# KiCad board s100_ColorMagic-1.0-001.kicad_pcb (continued)
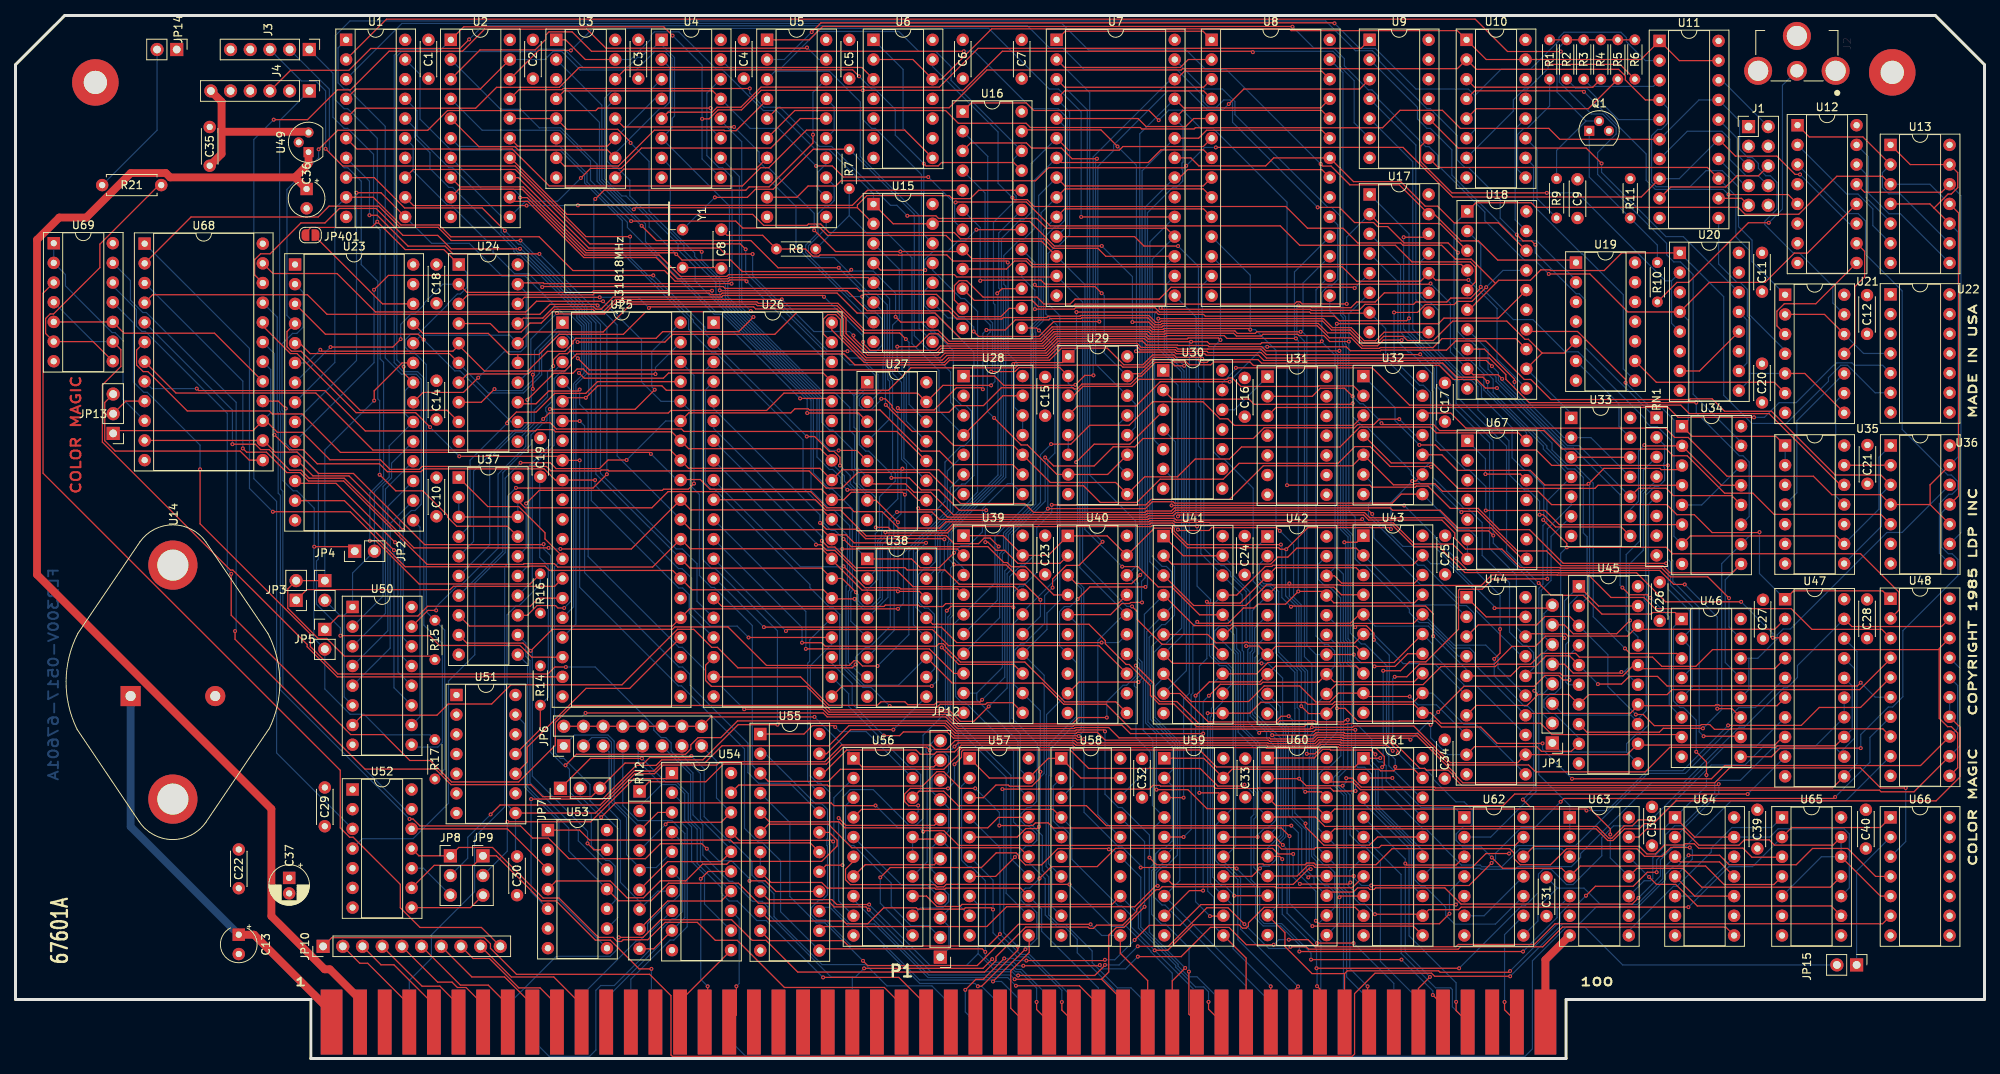
[diagram p0: board, top side]
## Routing (per net, layer and track width the routed paths; a pad name or vN(x,y) marks a point on that pad's centre or on a via; arc(x,y) is an arc through that point) (continued)
  Copper w0.152: v1(113.71,70.53) 112.69,69.51 112.69,67.22 111.83,66.35 111.83,59.31 110.48,57.97 109.36,57.97 108.24,59.09 v1(108.24,59.32) ; U45.3 205.42,52.12 205.42,48 v1(209.02,44.4) ; U44.3 188.21,55.49 188.21,57.43 187.17,58.46 186.27,58.46 183.6,61.13 181.29,61.13 175.22,67.2 175.22,68.13 v1(173.73,69.62) ; v1(33.2,70.57) 30.18,73.59 30.18,91.65 U68.1
pDBIN: length 149.9
  Component w0.152: v1(172.86,34.53) 170.01,34.53 169.63,34.9 160.36,34.9 160.31,34.86 154.82,34.86 154.51,35.16 147.7,35.16 147.62,35.25 146.72,35.25 146.24,34.77 v1(127.31,34.77) ; v1(129.3,14.44) 129.3,13.99 124.63,9.32 v1(124.14,9.32) ; U61.2 v1(177.61,36.21)
  Copper w0.152: U62.1 185.62,32.4 181.33,32.4 177.61,36.13 v1(177.61,36.21) ; v1(172.86,34.53) 172.86,35.17 U61.2 ; U55.2 96.75,39.34 103.2,32.88 104.01,32.88 104.75,32.15 104.75,28.4 104.67,28.32 104.67,27.5 104.75,27.41 104.75,21.14 104.04,20.43 103.63,20.43 102.64,19.44 102.64,18.61 103.37,17.88 104.49,17.88 107.89,14.47 111.86,14.47 116.65,9.68 123.78,9.68 v1(124.14,9.32) 124.63,9.32 127,6.95 P1.78 ; v1(127.31,34.77) 127.49,34.59 127.49,16.25 v1(129.3,14.44)
PHI: length 76.7
  Component w0.152: P1.24 114.3,6.94 112.08,9.17 99.19,9.17 93.11,15.25 90.28,15.25 87.95,17.58 83.81,17.58 81.57,15.33 78.4,15.33 78.17,15.1 77.61,15.1 77.08,15.64 75.18,15.64 70.11,20.71 68.06,20.71 61.53,27.24 57.18,27.24 JP8.1 52.04,26.16 U52.11
PORTC2: length 75.6
  Copper w0.152: U25.16 71.98,58.3 71.98,87.09 73.34,88.45 73.34,94.64 72.41,95.57 72.41,96.4 65.09,103.71 64.75,103.71 64.29,104.17 64.29,104.52 56.38,112.43 55.91,112.43 53.46,114.88 53.46,116.93 51.48,118.91 51.48,120.11 U1.16
PORTC3: length 81
  Copper w0.152: U25.17 72.29,56.07 72.29,86.97 73.65,88.32 73.65,94.77 72.72,95.7 72.72,96.58 65.28,104.02 64.88,104.02 64.6,104.3 64.6,104.7 62.65,106.65 62.65,108.71 56.39,114.97 55.91,114.97 51.78,119.1 51.78,122.35 U1.17
PRDY: length 297.4
  Component w0.152: v1(139.88,12.06) 139.79,11.97 v1(130,11.97) ; v1(71,50.53) 69.58,50.53 68.67,49.63 41.58,49.63 38.03,53.17 38.03,54.79 23.81,69.01 v1(23.81,76.05) ; v1(164.26,15.34) 166.75,15.34 167.67,14.42 185.82,14.42 186.13,14.72 195.93,14.72 198.6,17.39 240.85,17.39 U66.6 ; v1(144.78,13.15) 150.37,13.15 154.14,16.92 156.54,16.92 158.78,14.69 v1(162.31,14.69) ; v1(109.46,11.64) 124.8,11.64 v1(126,12.83)
  Copper w0.152: v1(144.78,13.15) 143.2,11.57 140.25,11.57 139.88,11.94 v1(139.88,12.06) ; v1(130,11.97) 129.23,11.97 128.78,12.42 126.41,12.42 v1(126,12.83) ; v1(162.31,14.69) 162.96,15.34 v1(164.26,15.34) ; v1(71,50.53) 74.78,50.53 82.34,42.97 82.34,42.37 83.3,41.42 83.89,41.42 84.58,40.72 84.58,39.68 87.39,36.87 87.39,31.44 88.67,30.16 88.67,26.26 92.06,22.87 92.49,22.87 95.07,20.29 96.33,20.29 97.11,19.51 97.11,18.62 105.24,10.49 107.95,10.49 ; 107.95,10.49 P1.72 ; 107.95,10.49 108.32,10.49 v1(109.46,11.64) ; U69.11 15.22,94.94 15.22,87.31 16.55,85.98 17,85.98 23.81,79.17 v1(23.81,76.05)
pSTVAL: length 69.2
  Component w0.152: P1.25 117.48,6.94 113.94,10.47 v1(104.18,10.47) ; JP7.1 74.15,38.73 v1(80.81,38.73)
  Copper w0.152: v1(80.81,38.73) 83.89,35.66 85.3,35.66 86.78,34.18 86.78,30.75 87.93,29.6 87.93,25.18 91.06,22.05 91.06,21.32 92.05,20.33 93.11,20.33 95.63,17.81 96.84,17.81 v1(104.18,10.47)
pSYNC: length 180.3
  Component w0.152: v1(28.32,55.17) 28.32,54.12 45.08,37.35 54.16,37.35 56.18,35.34 66.47,35.34 68.02,33.79 74.29,33.79 JP7.3 78.63,38.13 81.09,38.13 81.8,38.85 87.01,38.85 v1(87.2,39.04)
  Copper w0.152: P1.76 120.65,6.94 118.22,9.38 112.41,9.38 109.66,12.12 104.04,12.12 97.85,18.32 97.85,21.26 96.33,22.78 95.89,22.78 95,23.68 95,25.45 92.49,27.95 92.11,27.95 88.84,31.22 88.84,37.39 v1(87.2,39.04) ; U69.13 14.83,100.41 14.83,97.88 16.43,96.28 16.88,96.28 28.47,84.69 28.47,55.31 v1(28.32,55.17)
pWR*: length 74.3
  Component w0.152: v1(140.53,12.74) 140.43,12.64 v1(130.41,12.64) ; v1(122.52,8.86) 123.88,10.22 124.84,10.22 v1(127.54,12.91) ; v1(144.36,15.3) 146.26,17.2 150.23,17.2 152.9,19.87 v1(185.81,19.87)
  Copper w0.152: v1(140.53,12.74) 141.8,12.74 v1(144.36,15.3) ; v1(127.54,12.91) 128.72,12.91 128.99,12.64 v1(130.41,12.64) ; U62.5 v1(185.81,19.87) ; v1(122.52,8.86) 122.52,6 P1.77
Q2: length 2.5
  Copper w0.152: U29.6 U29.5
Q3: length 55.2
  Component w0.152: v1(126.24,82.68) 129.72,79.19 130.53,79.19 134.34,75.38 U29.7 140.88,75.38 U29.11
  Copper w0.152: v1(126.24,82.68) 125.37,83.54 125.37,93.41 125.73,93.77 125.73,94.66 125.08,95.31 125.08,111.7 U16.4
Q4: length 8.5
  Copper w0.152: U29.10 142.38,76.42 142.38,81.96 U29.13
Q5: length 56.9
  Component w0.152: U16.3 123.21,118.17 130.41,118.17 131.07,117.51 134.91,117.51 136.29,116.13 v1(139.51,116.13)
  Copper w0.152: v1(139.51,116.13) 139.32,115.95 139.32,89.64 U29.14 144.45,84.51 144.45,81.49 U29.12
Q6: length 125.7
  Component w0.152: U29.15 143.73,88.39 145.14,88.39 146.95,90.2 149.18,90.2 149.48,89.89 151.04,89.89 151.39,89.54 154.2,89.54 154.56,89.9 159.25,89.9 159.69,89.45 183.68,89.45 185.49,87.64 188.53,87.64 189.63,86.54 v1(191.11,86.54) ; v1(207.62,52.92) 208.27,52.28 214.3,52.28 U46.3 ; v1(131.49,99.86) 131.72,99.63 139.26,99.63 v1(140.11,98.77)
  Copper w0.152: U29.15 140.45,91.05 140.45,98.44 v1(140.11,98.77) ; v1(191.11,86.54) 198.21,79.43 198.21,78.55 200.19,76.57 201.22,76.57 203.52,74.26 203.52,57.02 v1(207.62,52.92) ; v1(131.49,99.86) 131.49,102.75 U16.17
Q7: length 155.7
  Component w0.152: v1(147.47,121.11) 146.21,122.36 131.35,122.36 130.38,123.33 123.29,123.33 U16.1 ; v1(212.93,63.91) 199.66,63.91 195.31,68.25 191.43,68.25 188.68,71 185.09,71 182.22,73.88 180.71,73.88 180.57,73.74 174.96,73.74 174.71,74 v1(164.03,74)
  Copper w0.152: v1(212.93,63.91) 213.19,63.65 213.19,60.58 215.96,57.81 215.96,55.22 U46.2 215.96,53.16 215.96,50.14 U46.4 ; v1(147.47,121.11) 148.76,122.4 150.56,122.4 152.91,120.05 154.5,120.05 164.03,110.52 v1(164.03,74)
Q8: length 76.9
  Component w0.152: v1(181.1,79.19) 183.16,79.19 183.82,78.53 196.19,78.53 198.17,76.55 v1(213.15,76.55)
  Copper w0.152: v1(213.15,76.55) 213.15,64.43 213.49,64.08 213.49,61.14 216.28,58.35 216.28,47.92 U46.5 ; U32.1 177.96,84 177.96,82.33 v1(181.1,79.19)
R: length 162.5
  Component w0.152: U5.5 98.34,122.71 120.44,122.71 125.31,127.58 150.37,127.58 150.54,127.76 186,127.76 U10.2 188.45,127.67 206.81,127.67 207.67,126.81 207.67,126.3 210.25,123.72 U11.4
  Copper w0.152: U21.1 224.01,102.85 224.01,105.62 222.27,107.36 222.27,112.5 220.17,114.59 218.08,114.59 216.01,112.52 211.65,112.52 211.05,113.12 211.05,119.12 211.84,119.91 212.32,119.91 213.14,120.73 213.14,122.66 U11.4
R_OUT: length 7.6
  Copper w0.152: U11.16 222.1,118.78 222.1,116.66 J1.5
RA0: length 100.8
  Component w0.152: U1.9 46.15,111.16 49.72,107.58 54.63,107.58 56.16,106.06 67.55,106.06 71.91,101.71 83.72,101.71 85.09,100.33 92,100.33 92.16,100.49 94.12,100.49 v1(94.3,100.31)
  Copper w0.152: U26.38 104.71,89.9 v1(94.3,100.31) ; U23.8 41.19,89.83 41.19,109.7 U1.9
RA1: length 108.9
  Component w0.152: U1.11 47.15,111.74 v1(43.99,111.74) ; U26.37 104.19,88.47 84.24,88.47 83.58,87.81 73.37,87.81 v1(72.69,88.48)
  Copper w0.152: v1(72.69,88.48) 73.04,88.83 73.04,94.52 71.54,96.01 70.72,96.01 65.74,100.99 62.76,100.99 58.53,105.21 53.68,105.21 U1.11 ; v1(43.99,111.74) 43.99,90.09 U23.9
RA2: length 90.6
  Component w0.152: v1(46.25,99.22) 48.11,101.08 v1(82.27,101.08) ; U26.36 104.92,85.2 v1(101.21,85.2)
  Copper w0.152: v1(101.21,85.2) 92.62,93.79 89.19,93.79 88.93,94.05 88.93,94.42 v1(82.27,101.08) ; U23.10 46.25,89.81 v1(46.25,99.22)
RESET: length 134.4
  Component w0.152: U28.9 128.65,76.65 120.94,76.65 119.2,78.39 116.84,78.39 111.51,83.71 102.4,83.71 102.26,83.86 100.54,83.86 100.02,83.33 86.85,83.33 U25.35 ; v1(65.15,76.89) 68.98,76.89 69.73,76.14 75.33,76.14 76.43,77.24 v1(78.84,77.24)
  Copper w0.152: U52.4 44.75,28.37 51.29,28.37 55.85,32.94 55.85,48.71 59.25,52.11 59.25,61.38 63.17,65.3 63.17,74.91 v1(65.15,76.89) ; U25.35 83.87,82.28 v1(78.84,77.24)
SELBLUE: length 22.6
  Component w0.152: U15.4 111.58,101.76 v1(117.35,101.76) ; U16.18 v1(123.96,106.98)
  Copper w0.152: v1(123.96,106.98) 122.58,105.61 121.67,105.61 120.24,104.17 118.35,104.17 117.27,103.09 117.27,101.84 v1(117.35,101.76)
sINP: length 104.5
  Component w0.152: v1(121.12,37.97) 122.04,38.88 122.04,39.62 122.24,39.82 136.05,39.82 138.44,37.43 152.83,37.43 155.1,35.16 158.35,35.16 v1(158.54,35.35) ; v1(182.83,8.19) 184.15,6.88 P1.46 ; v1(120.29,34.86) 115.42,34.86 114.69,34.13 114.69,33.16 115.22,32.63 116.43,32.63 v1(116.45,32.65) ; v1(178.79,12.77) v1(167.12,12.77)
  Copper w0.152: v1(167.12,12.77) 167.12,13.62 163.32,17.42 161.07,17.42 160.5,18 160.5,21.98 159.39,23.09 159.39,31.13 159.74,31.49 159.74,34.14 v1(158.54,35.35) ; v1(120.29,34.86) 121.12,35.69 v1(121.12,37.97) ; v1(182.83,8.19) 182.83,8.72 v1(178.79,12.77) ; v1(116.45,32.65) 116.45,31.85 U56.17
SL: length 176.2
  Component w0.152: v1(125.85,86.88) 119.64,86.88 U27.15 116.36,85.88 99.13,85.88 96.89,83.64 84.53,83.64 84.2,83.31 68.84,83.31 v1(68.08,82.54) ; v1(54.26,57.84) 53.2,57.84 U50.15
  Copper w0.152: U4.15 92.04,127.87 98.78,127.87 103.47,132.56 113.95,132.56 116.52,129.99 118.71,129.99 120.69,128.01 120.69,126.25 U16.22 128.74,116.08 128.74,111.66 129.08,111.32 129.08,110.84 126.16,107.92 126.16,97.48 126.34,97.29 126.34,87.37 v1(125.85,86.88) ; v1(54.26,57.84) 54.26,58.3 56.97,61.01 57.41,61.01 62.25,65.86 62.25,75.44 65.83,79.01 65.83,80.3 v1(68.08,82.54)
sMEMR: length 34.5
  Component w0.152: P1.47 185.84,6.19 v1(185.84,7.31)
  Copper w0.152: U61.3 173.9,32.96 179.77,27.09 179.77,15.84 185.84,9.77 v1(185.84,7.31)
sOUT: length 38.7
  Component w0.152: v1(182.47,10.53) 180.98,9.04 P1.45 ; U62.3 185.83,24.97 179.48,24.97 v1(179.28,25.17)
  Copper w0.152: U61.4 179.28,25.75 v1(179.28,25.17) 179.28,13.71 v1(182.47,10.53)
SPKR_DATA: length 96.2
  Component w0.152: U69.9 13.59,91.49 13.59,89.32 11.2,86.94 11.2,79.56 27.72,63.04 28.03,63.04 37.62,53.45 37.62,53.15 41.51,49.26 U25.19
  Copper w0.152: U69.9 10.01,92.53 U69.4
SPKR_GATE: length 65.8
  Component w0.152: v1(34.86,83.89) 33.9,84.85 U68.16 ; U25.18 66.6,51.8 65.09,53.31 54.69,53.31 53.42,54.58 v1(41.91,54.58)
  Copper w0.152: v1(41.91,54.58) 41.91,55.56 38.82,58.65 38.82,64.21 39.07,64.45 39.07,75.53 36.25,78.35 35.87,78.35 34.86,79.36 v1(34.86,83.89)
STR: length 150.6
  Component w0.152: U3.15 73.51,128.94 70.97,131.48 U3.1 ; v1(144.08,95.05) 146.2,95.05 146.84,94.4 147.88,94.4 148.04,94.57 167.93,94.57 169.47,93.02 172.31,93.02 173.67,91.66 175.95,91.66 176.06,91.77 182.87,91.77 184.02,92.91 193.55,92.91 U18.13 ; U15.1 113.22,107.74 U15.15 118.6,108.04 130.84,108.04 134,104.87 v1(140.13,104.87)
  Copper w0.152: U3.15 79.35,128.94 81.98,131.58 81.98,132.08 82.41,132.51 85.58,132.51 90.42,127.67 91.16,127.67 96.48,122.35 98.16,122.35 103.21,117.29 104.98,117.29 110.68,111.59 U15.1 ; v1(144.08,95.05) 144.08,100.92 v1(140.13,104.87)
SYNC_SRC: length 35.6
  Component w0.152: U62.12 195.86,27.38 209.47,27.38 210.45,26.4 211.55,26.4 212.7,27.55 215.21,27.55 215.38,27.72 216.54,27.72 217.12,27.15 222.84,27.15 224.01,25.98 227.82,25.98 U65.3
U12.5: length 51.2
  Component w0.152: v1(220.98,111.51) 228.67,111.51 U12.5 ; U10.4 188.22,124.9 202.2,124.9 v1(202.33,124.77)
  Copper w0.152: v1(220.98,111.51) 220.32,112.17 211.54,112.17 210.36,113.35 210.36,116.74 v1(202.33,124.77)
U19.8: length 34.7
  Copper w0.152: U10.10 195.83,115.21 195.83,110.07 202.06,103.83 202.15,103.83 207.41,98.58 207.41,89 U19.8
U25.13: length 261.1
  Component w0.152: v1(243.84,34.92) 240.6,34.92 238.01,37.51 221.12,37.51 219.2,35.58 186.71,35.58 185.75,36.54 185.75,36.71 184.94,37.52 184.91,37.52 180.79,41.64 171.39,41.64 171.28,41.75 167.88,41.75 167.38,41.25 161.91,41.25 161.77,41.38 142.36,41.38 141.03,42.72 136.7,42.72 136.58,42.59 121.5,42.59 120,44.09 104.71,44.09 104.2,44.6 v1(73.54,44.6) ; U37.1 60.92,71.24 64.92,71.24 68.3,67.85 68.3,67.06 70.56,64.8 U25.13
  Copper w0.152: U53.9 77.7,18.18 77.7,29.68 74.11,33.27 74.11,35.36 70.73,38.74 70.27,38.74 69.62,39.4 69.62,44.15 ; v1(243.84,34.92) 243.84,28 U66.3 ; 69.62,44.15 69.52,44.24 69.52,63.46 U25.13 ; 69.62,44.15 73.08,44.15 v1(73.54,44.6)
U25.24: length 29.7
  Component w0.152: U51.10 66.01,38.27 66.01,40.18 73.6,47.77 79.23,47.77 U25.24
U25.25: length 81.6
  Component w0.152: v1(113.85,58.04) 86.96,58.04 U25.25 84.74,55.82 58.56,55.82 U37.8
  Copper w0.152: U28.5 120.21,75.83 120.21,70.75 117.3,67.84 117.17,67.84 114.54,65.22 114.54,58.74 v1(113.85,58.04)
U35.12: length 88.3
  Component w0.152: U35.12 235.4,74.04 226.21,83.24 215.91,83.24 214.82,84.33 179.83,84.33 175.01,89.15 v1(157.43,89.15)
  Copper w0.152: v1(157.43,89.15) 157.43,88.99 155.67,87.23 U30.13
U35.13: length 6
  Component w0.152: U35.13 U36.2
VIDEO_EN: length 30.7
  Copper w0.152: U17.10 180.64,97.94 180.64,117.9 U9.4
VSYNC: length 137.8
  Component w0.152: v1(216.82,84.66) 195.27,84.66 192.26,87.66 192.26,88.28 190.13,90.4 161.38,90.4 160.67,91.11 153.85,91.11 153.69,91.27 149.83,91.27 149.63,91.47 145.09,91.47 144.58,91.98 134.73,91.98 133.18,90.44 120.37,90.44 119.77,89.83 109.5,89.83 105.3,94.03 U26.40
  Copper w0.152: U34.11 223.64,69.95 223.64,77 222.84,77.8 222.37,77.8 216.82,83.35 v1(216.82,84.66)
VSYNC_OUT: length 64.7
  Component w0.152: U9.8 183.53,115.01 218.25,115.01 U11.13
  Copper w0.152: U11.13 221.93,111.33 221.93,106.04 223.71,104.26 223.71,95.96 228.28,91.39 U21.4
XTRQ: length 126.6
  Component w0.152: U61.7 172.43,22.04 162.6,22.04 162.47,22.17 147.92,22.17 147.55,21.8 147.15,21.8 144.64,19.28 144.64,19.01 142.84,17.21 139.47,17.21 139.05,16.79 138.53,16.79 138.36,16.96 130.32,16.96 126.48,13.13 126.48,12.63 125.01,11.16 100.91,11.16 96.82,15.25 95.04,15.25 92.38,17.91 83.22,17.91 80.95,15.64 v1(77.82,15.64)
  Copper w0.152: P1.58 63.5,6.93 69.76,13.19 76.71,13.19 77.82,14.3 v1(77.82,15.64)
Net-(C8-Pad1): length 62.2
  Component w0.152: C8.1 91.78,106.25 96.38,106.25 R8.2 101.92,104.48 102.85,103.55 103.61,103.55 103.78,103.71 113.9,103.71 113.94,103.67 114.34,103.67 114.38,103.71 120.14,103.71 120.93,102.93 127.81,102.93 v1(128,102.74)
  Copper w0.152: v1(128,102.74) 128.05,102.69 128.05,90.98 129.19,89.83 129.19,89.43 128.83,89.07 128.83,84.09 U28.12 U28.11
Net-(C8-Pad2): length 5
  Component w0.152: Y1.2 90.95,102.08 C8.2
Net-(C19-Pad1): length 38
  Component w0.152: U51.11 67.7,42.5 R14.1
  Copper w0.152: C19.1 67.62,75 67.62,64.68 68.73,63.57 68.73,46.63 R14.1
Net-(C31-Pad1): length 37.9
  Component w0.152: U64.3 214.74,25.38 219.82,25.38 U64.11
  Copper w0.152: U64.3 212.5,24.46 212.5,23.19 209.19,19.88 204.44,19.88 202.33,21.99 198.89,21.99 ; 198.89,21.99 196.39,19.49 196.39,17.75 U62.8 ; 198.89,21.99 C31.1
Net-(J2-Pad2): length 39.7
  Component w0.152: R10.2 214.32,100.17 215.84,100.17 223.54,107.87 v1(226.17,107.87)
  Copper w0.152: v1(226.17,107.87) 227.94,109.63 227.94,125.62 J2.2
Net-(J4-Pad1): length 101.9
  Copper w0.152: U52.13 50.22,32.18 34.49,47.91 34.49,73.22 34.2,73.51 34.2,83.43 34.07,83.56 34.07,121.05 J4.1
Net-(JP1-Pad1): length 47.3
  Copper w0.152: 207.83,39.55 207.83,40.63 209.05,41.86 209.46,41.86 210.67,43.06 210.67,59 210.41,59.25 210.41,59.65 210.7,59.94 210.7,63.02 210.62,63.1 210.62,71.48 RN1.5 ; 207.83,39.55 199.43,39.55 JP1.1 ; 207.83,39.55 U45.11
Net-(JP1-Pad3): length 51.4
  Copper w0.152: 209.3,43.82 210.36,44.89 210.36,58.87 210.11,59.13 210.11,59.78 210.39,60.06 210.39,61.73 210.31,61.82 210.31,72.69 211.45,73.83 211.95,73.83 212.73,74.62 212.73,76.28 212.63,76.38 212.63,76.81 212.73,76.91 212.73,79.15 RN1.2 ; 209.3,43.82 208.88,43.82 208.38,44.32 199.74,44.32 JP1.3 ; 209.3,43.82 U45.13
Net-(JP1-Pad5): length 42
  Component w0.152: v1(207.17,49.88) 207.03,49.75 200.95,49.75 199.81,50.89 JP1.5
  Copper w0.152: 207.58,49.96 208.11,50.48 208.11,54.98 207.78,55.31 207.78,65.05 209.52,66.79 209.52,71.64 209.68,71.79 209.68,73.06 209.98,73.36 209.98,75.92 RN1.3 ; 207.58,49.96 U45.15 ; 207.58,49.96 207.58,49.96 207.24,49.96 v1(207.17,49.88)
Net-(JP1-Pad7): length 34.9
  Component w0.152: v1(208.27,56.54) 206.55,54.83 200.96,54.83 199.81,55.97 JP1.7
  Copper w0.152: U45.17 209.3,54.4 208.27,55.43 v1(208.27,56.54) 208.18,56.63 208.18,63.78 209.98,65.59 209.98,72.93 211.7,74.65 RN1.4
Net-(JP2-Pad1): length 79.1
  Component w0.152: v1(38.54,66.06) 43.18,66.06 JP2.1
  Copper w0.152: R17.2 53.49,41.77 47.61,41.77 44.95,44.43 43.16,44.43 39.9,47.7 JP5.2 38.48,54.26 38.48,66.01 v1(38.54,66.06) 38.54,71.03 36.3,73.27 35.82,73.27 34.51,74.58 34.51,83.56 34.38,83.69 34.38,92.23 35.74,93.59 36.29,93.59 37.09,94.39 37.09,98.91 U23.2
Net-(JP3-Pad2): length 63.1
  Component w0.152: v1(46.27,84.92) 46.27,86.18 49.88,89.78 U23.23 ; JP4.1 JP3.2 35.12,60.6 35.12,58.13 39.03,54.22 40.13,54.22 42.42,51.93 53.65,51.93 R15.2
  Copper w0.152: v1(46.27,84.92) 39.9,78.54 JP4.1
Net-(JP6-Pad1): length 25.5
  Component w0.152: RN2.3 82.86,31.76 U54.3
  Copper w0.152: RN2.3 80.5,29.87 77.23,33.14 77.23,40.96 76.43,41.75 72.13,41.75 JP6.1
Net-(JP6-Pad3): length 27.4
  Copper w0.152: JP6.3 74.35,41.43 76.29,41.43 76.88,40.84 76.88,33.06 78.83,31.11 78.83,26.32 80.5,24.65 ; 80.5,24.65 82.65,24.65 U54.5 ; 80.5,24.65 RN2.5
Net-(JP6-Pad5): length 27.9
  Copper w0.152: RN2.7 81.02,19.76 ; 81.02,19.76 82.86,21.6 U54.7 ; 81.02,19.76 78.04,22.74 78.04,30.72 76.57,32.18 76.57,39.57 JP6.5
Net-(JP6-Pad7): length 35.6
  Component w0.152: U54.9 82.32,14.16 RN2.9
  Copper w0.152: JP6.7 78.34,32.64 80.28,30.7 84.68,30.7 86.35,29.04 86.35,18.19 U54.9
Net-(JP6-Pad9): length 34.7
  Copper w0.152: 83.35,35.36 80.5,32.51 RN2.2 ; 83.35,35.36 80.33,38.38 80.33,39.79 JP6.9 ; 83.35,35.36 85.15,35.36 86.33,34.19 86.33,30.78 87.22,29.89 87.22,25.42 88.88,23.76 88.88,19.94 U54.12
Net-(JP6-Pad11): length 36.2
  Component w0.152: U54.14 91.03,20.33 84.13,20.33 RN2.8
  Copper w0.152: JP6.11 87.09,36.67 87.09,30.88 88.37,29.6 88.37,25.53 U54.14
Net-(JP6-Pad13): length 30.1
  Component w0.152: RN2.6 84.13,25.41 91.03,25.41 U54.16
  Copper w0.152: JP6.13 85.96,39.16 88.36,36.77 88.36,30.91 92.3,26.96 U54.16
Net-(JP6-Pad15): length 24
  Component w0.152: v1(83.86,30.22) 84.13,30.49 91.03,30.49 U54.18
  Copper w0.152: JP6.15 90.43,38.41 90.43,33.63 U54.18 ; RN2.4 v1(83.86,30.22)
Net-(JP7-Pad2): length 127.8
  Component w0.152: v1(110.94,32.66) 110.92,32.63 105.57,32.63 105.2,33 77.41,33 v1(75.55,31.14) ; v1(117.09,29.29) 117.21,29.41 119.75,29.41 121.65,27.51 162.86,27.51 163.33,27.04 167.54,27.04 167.72,27.22 175.91,27.22 176.19,27.51 193.45,27.51 U62.13
  Copper w0.152: v1(110.94,32.66) 113.82,29.79 116.59,29.79 v1(117.09,29.29) ; v1(75.55,31.14) 72.84,33.85 JP7.2
Net-(JP8-Pad2): length 141.3
  Component w0.152: U30.3 148.05,83.59 143.75,79.29 139.14,79.29 v1(136.82,76.97) ; v1(137.17,41.62) 137.14,41.65 121.15,41.65 119.83,42.96 107.51,42.96 104.91,40.37 91.14,40.37 88.95,38.17 83.41,38.17 82.34,37.1 79.8,37.1 75.42,32.72 62.5,32.72 v1(61.29,31.5)
  Copper w0.152: v1(136.82,76.97) 137,76.79 137,61.56 137.81,60.75 137.81,42.26 v1(137.17,41.62) ; JP8.2 58.33,25.85 58.33,28.55 v1(61.29,31.5)
Net-(JP8-Pad3): length 6.4
  Copper w0.152: JP8.3 52.62,24.56 U52.10
Net-(JP9-Pad2): length 32.1
  Component w0.152: v1(63.44,30.55) 63.44,30.55 74.21,30.55 79.78,36.13 83.97,36.13 U54.1
  Copper w0.152: v1(63.44,30.55) 63.44,26.76 JP9.2
Net-(JP9-Pad3): length 9.9
  Component w0.152: JP9.3 58.7,19.48 U52.8
Net-(JP12-Pad2): length 25.1
  Copper w0.152: U56.3 107.07,32.63 107.07,28.12 107.71,27.48 108.14,27.48 112.97,22.65 112.97,19.67 115.49,17.15 117.77,17.15 JP12.2
Net-(JP12-Pad4): length 14.5
  Copper w0.152: U56.5 114.34,22.34 117.66,22.34 JP12.4
Net-(JP12-Pad6): length 12.1
  Component w0.152: JP12.6 118.53,25.01 109.61,25.01 U56.7
Net-(JP12-Pad8): length 27.2
  Component w0.152: JP12.8 118.53,30.09 107.13,30.09 v1(106.19,31.03)
  Copper w0.152: v1(106.19,31.03) 106.19,20.33 U56.9
Net-(JP12-Pad10): length 31.7
  Copper w0.152: JP12.10 120.38,37.02 120.38,38.99 119.8,39.57 118.81,39.57 117.91,38.67 117.91,23.1 119.15,21.86 119.68,21.86 120.38,21.16 120.38,20.24 119.56,19.43 116.73,19.43 U56.12
Net-(JP12-Pad12): length 19.6
  Copper w0.152: JP12.12 118.5,41.02 117.46,39.98 117.46,39.58 117.61,39.43 117.61,25.39 U56.14
Net-(JP13-Pad1): length 201.4
  Component w0.152: JP13.1 12.96,81.04 30.63,81.04 U68.15 32.29,82.31 33.77,80.82 37.01,80.82 40.56,77.28 47.07,77.28 48.31,76.04 52.09,76.04 52.45,76.41 65.98,76.41 65.98,76.41 68.5,76.41 69.07,75.84 75.46,75.84 75.57,75.95 76.43,75.95 76.54,75.84 102.37,75.84 104.58,73.62 106.62,73.62 108.63,75.64 117.9,75.64 121.9,71.63 130.18,71.63 131.32,70.49 145.71,70.49 145.88,70.66 149.1,70.66 149.5,71.07 177.33,71.07 177.64,70.76 183.77,70.76 186.05,68.49 190.33,68.49 194.34,64.48 U67.8
  Copper w0.152: U68.18 32.93,88.9 32.93,83.34 U68.15
Net-(JP13-Pad2): length 4.7
  Component w0.152: JP13.2 14.23,84.85 U68.9
Net-(JP13-Pad3): length 27.9
  Component w0.152: JP13.3 11.51,84.67 11.51,79.74 12.85,78.4 28.98,78.4 30.15,77.23 U68.13
Net-(JP14-Pad2): length 20.4
  Copper w0.152: JP14.2 18.26,119.81 R21.2
Net-(JP15-Pad1): length 18.3
  Copper w0.152: JP15.1 237.5,24.2 U66.2
Net-(JP401-Pad1): length 16.4
  Component w0.152: JP401.1 38.7,106.05 47.35,97.4 U23.26
Net-(Q1-Pad1): length 20.6
  Copper w0.152: Q1.1 203.01,113.77 R11.2 211.8,104.98 R10.1
Net-(Q1-Pad2): length 34.2
  Component w0.152: R6.2 R5.2 R4.2 R3.2 R2.2 R1.2
  Copper w0.152: 202.59,121 198.85,124.74 198.85,130.23 R2.2 ; 202.59,121 Q1.2 ; 202.59,121 198.8,117.21 R9.2
Net-(R1-Pad1): length 15.1
  Copper w0.152: U10.9 193.76,114.74 193.76,119.25 194.56,120.05 195.01,120.05 197.9,122.94 R1.1
Net-(R2-Pad1): length 14.1
  Copper w0.152: U11.5 206.78,121.18 202.7,125.25 201.25,125.25 R2.1
Net-(R3-Pad1): length 10.5
  Copper w0.152: U11.3 211.29,125.47 203.23,125.47 R3.1
Net-(R4-Pad1): length 18.2
  Component w0.152: R4.1 203.47,125.37 188.21,125.37 U10.3
Net-(R5-Pad1): length 21.6
  Component w0.152: R5.1 202.89,122.59 188.45,122.59 U10.5
Net-(R6-Pad1): length 28.7
  Component w0.152: R6.1 207,128.3 v1(197.72,128.3)
  Copper w0.152: v1(197.72,128.3) 197.72,127.8 195.05,125.13 194.61,125.13 193.22,123.74 193.22,122.28 U10.7
Net-(R7-Pad1): length 66.3
  Component w0.152: R7.1 102.91,117.36 97.74,112.2 95.46,112.2 94.4,111.14 v1(90.21,111.14)
  Copper w0.152: R7.1 115.95,108.96 115.95,93.29 120.63,88.61 120.63,84.67 U28.3 ; v1(90.21,111.14) Y1.1
Net-(R7-Pad2): length 55.3
  Component w0.152: U28.13 127.38,85.54 U28.4
  Copper w0.152: 107.55,108.8 109.88,106.47 112.51,106.47 115.64,103.34 115.64,92.28 119.13,88.79 119.13,83.63 U28.4 ; 107.55,108.8 R8.1 ; 107.55,108.8 R7.2
Net-(R9-Pad1): length 12
  Copper w0.152: R9.1 196.29,110.99 196.29,117.29 U10.11
Net-(R21-Pad1): length 35.9
  Component w0.152: R21.1 18.51,112.73 10.88,105.1 10.88,102.08 4.91,96.1 4.47,96.1 3.89,95.52 3.89,93.57 U69.6 10.01,92.53 U69.8
Net-(U12-Pad1): length 29.1
  Component w0.152: U12.1 231.39,118.95 238.31,118.95 U13.2
  Copper w0.152: U13.2 240.83,114.33 240.83,112.43 241.66,111.6 243.12,111.6 U13.9
Net-(U12-Pad2): length 18.5
  Copper w0.152: U13.6 239.59,107.5 239.59,109.66 237.69,111.57 236.23,111.57 U12.2
Net-(U12-Pad3): length 63
  Copper w0.152: U12.3 236.21,109.05 237.71,109.05 238.65,108.1 238.65,103.8 243.38,99.07 243.38,81.2 249.27,75.31 249.72,75.31 250.56,74.48 250.56,73.57 249.82,72.84 249.4,72.84 248.18,71.62 248.18,65.22 U36.8
Net-(U12-Pad9): length 16.3
  Component w0.152: U21.3 227.22,94.56 227.22,96.46 228.18,97.42 232.24,97.42 U12.9
Net-(U12-Pad10): length 15.8
  Component w0.152: U21.11 237.27,92.33 237.27,99.61 238.54,100.89 238.54,104.18 U12.10
Net-(U12-Pad13): length 60.5
  Component w0.152: U13.12 248.47,111.81 238.53,111.81 U12.13
  Copper w0.152: U36.9 250.96,67.86 250.96,111.38 U13.12
Net-(U12-Pad14): length 9.4
  Copper w0.152: U12.14 238.71,114.17 238.71,111.13 241.88,107.95 U13.5
Net-(U12-Pad15): length 21.1
  Copper w0.152: U13.8 243.15,109.03 241.69,109.03 239.01,111.71 239.01,116.41 U12.15
Net-(U19-Pad6): length 12.8
  Copper w0.152: U33.13 206.84,81.6 206.84,84.49 U19.6
Net-(U19-Pad9): length 21.1
  Component w0.152: U21.6 226.88,87.28 211.67,87.28 U19.9
Net-(U20-Pad2): length 50.7
  Component w0.152: U9.9 181.25,117.73 181.25,115.77 185.3,111.73 v1(197.55,111.73)
  Copper w0.152: 213.63,100.37 213.63,94.89 U20.5 ; 213.63,100.37 212.85,100.37 201.49,111.73 v1(197.55,111.73) ; 213.63,100.37 U20.2
Net-(U20-Pad10): length 8.5
  Copper w0.152: U20.13 223.36,95.32 223.36,89.78 U20.10
Net-(U20-Pad12): length 9.7
  Component w0.152: U20.12 217.24,88.74 U20.7
Net-(U20-Pad14): length 50
  Component w0.152: U9.10 186.11,117.51 202.62,117.51 v1(204.6,115.52)
  Copper w0.152: U20.14 215.14,106.08 212.91,106.08 204.6,114.38 v1(204.6,115.52)
Net-(U21-Pad9): length 15.3
  Copper w0.152: U21.9 234.8,84.78 234.8,72.6 U35.11
Net-(U21-Pad10): length 20.1
  Copper w0.152: U21.10 229.79,82.31 229.79,73.01 U35.4
